# Altium PCB esp32-s3.PcbDoc (continued)
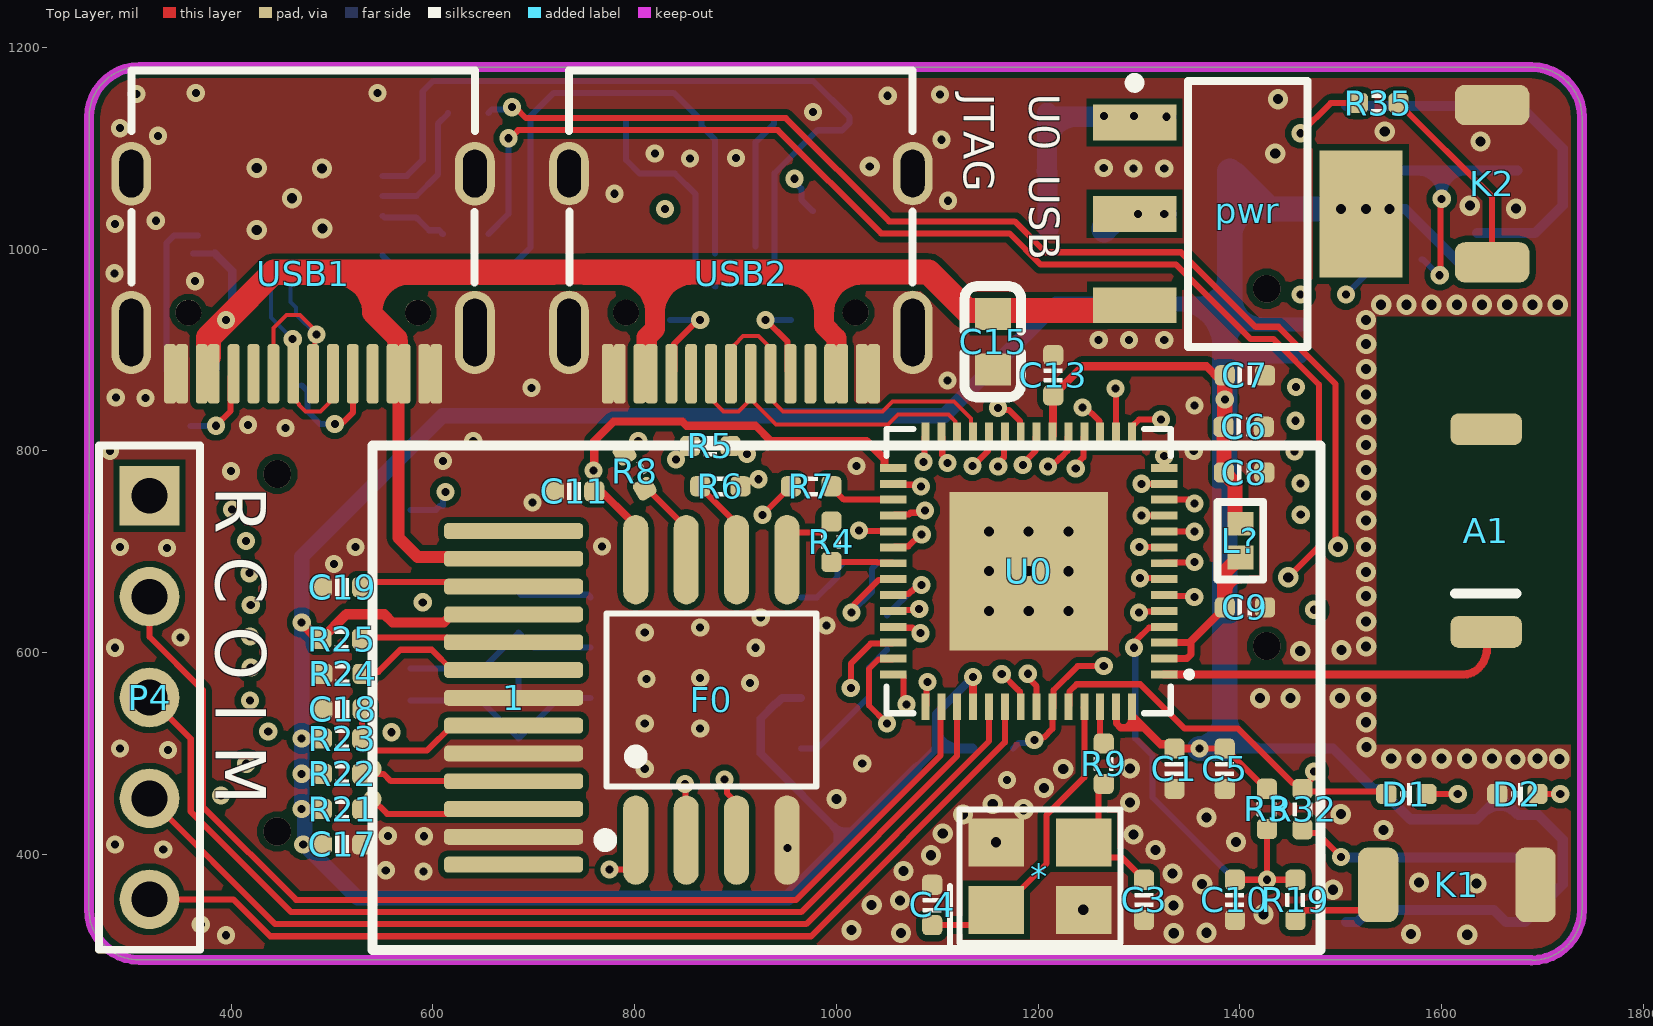
[diagram p0: Top Layer view]
## Footprints (in the part's own frame and the unit in brackets; to place one, negate y for a bottom-side part, rotate by r counter-clockwise, add the part's x,y. Pads: shape width x height; smd on the part's side, far side on the other; paste and mask are expansions set on the pad) (continued)
SMT_TRIODE_NPN [mm]
  rrect50% 0.95x1 smd: 1(-0.95,-1.125) 2(0.95,-1.125) 3(0,1.125)
  silkscreen extent -1.33,-0.23 1.33,1.13, body extent -1.45,-1.4 1.45,1.4, height 1.3
SO-8 [mm]
  oval 1.3x0.5 smd: 1(-2.65,1.905) 2(-2.65,0.635) 3(-2.65,-0.635) 4(-2.65,-1.905) 5(2.65,-1.905) 6(2.65,-0.635) 7(2.65,0.635) 8(2.65,1.905)
  silkscreen extent -2.78,-2.5 1.2,2.93, body extent -2.89,-2.44 2.89,2.46, height 1.45
SOT223_L [mm] "SOT223, 4-Leads, Body 6.5x3.5mm, Pitch 2.3mm, Lead Span 7mm, IPC High Density"
  rect 2.1x0.9 smd: 1(-2.85,2.3) 2(-2.85,0) 3(-2.85,-2.3)
  rect 2.1x3.2 smd: 4(2.85,0)
  silkscreen extent -2.97,-3.35 1.5,3.42, body extent -1.85,-3.35 1.85,3.35, height 1.7
Type-C-TOP [mm]
  round 0.65 hole 0.65: 0(-0.98,2.89) 0(-0.98,-2.89)
  oval 1.6x1 hole 0.6 slot 1.2 at 0 deg: 1(2.52,4.325) 2(2.52,-4.325)
  oval 2.1x1 hole 0.6 slot 1.7 at 0 deg: 3(-1.48,-4.325) 4(-1.48,4.325)
  rrect50% 1.5x0.3 smd: A1(-2.52,-3.35) A4(-2.52,-2.55) A5(-2.52,-1.25) A6(-2.52,-0.25) A7(-2.52,0.25) A8(-2.52,1.25) A9(-2.52,2.55) A12(-2.52,3.35) B1(-2.52,3.05) B4(-2.52,2.25) B5(-2.52,1.75) B6(-2.52,0.75) B7(-2.52,-0.75) B8(-2.52,-1.75) B9(-2.52,-2.25) B12(-2.52,-3.05)
  silkscreen extent -0.22,-4.33 5.12,4.33, body extent -2.57,-4.48 5.18,4.47, height 3.26
W25Q64JVSSIQ [mm]
  oval 0.63x2.25 smd: 1(-1.115,-3.955) 2(0.155,-3.955) 3(1.425,-3.955) 4(2.695,-3.955) 5(2.695,3.105) 6(1.425,3.105) 7(0.155,3.105) 8(-1.115,3.105)
  silkscreen extent -2.03,-4.11 3.43,1.75
无源晶振 [mm]
  rect 1.4x1.2 smd: 1(-1.016,-0.938) 2(1.184,-0.938) 3(1.184,0.762) 4(-1.016,0.762)
  silkscreen extent -2.17,-2 2.11,1.59

## Part data
A1: library part ANT-Rainsun-AP5120
C1 C2 C3 C4 C5 C6 C7 C8 C9 C10 C11 C12 C13 C14 C15 C16 C17 C18 C19: library part 电容-0402, "Capacitor"
D1 D2: library part LED_0402, "LED", Type=0402
J1 J2 J3 J4 J5: "Resistor", LatestRevisionDate=17-Jul-2002, LatestRevisionNote="Re-released for DXP Platform.", PackageDescription="Axial Device, Thru-Hole; 2 Leads; 0.4 in Pin Spacing", PackageReference=AXIAL-0.4, Published=8-Jun-2000, Publisher="Altium Limited"
K1 K2: library part ButtonTACT_3x4x2_180, "Button", Type="TACT 2P"
K3 K4: library part ButtonTACT, "Button", Type="TACT 4P"
L?: library part "0402 2.7nH 0.3nH", "贴片电感", Package=0402, SuppliersPartNumber=C27123, ComponentLink1Description=供应商链接, ComponentLink1URL=http://www.szlcsc.com/product/details_27872.html, Supplier=LC
P1 P2: "Header, 10-Pin, Dual row", LatestRevisionDate=17-Jul-2002, LatestRevisionNote="Re-released for DXP Platform.", Publisher="Altium Limited"
P4: "Header, 5-Pin", LatestRevisionDate=17-Jul-2002, LatestRevisionNote="Re-released for DXP Platform.", Publisher="Altium Limited"
R1 R2 R3 R4 R5 R6 R7 R8 R9 R10 R11 R12 R13 R14 R15 R16 R17 R18 R19 R20 R21 R22 R23 R24 R25 R26 R32 R34 R35 RCR1 x1 x2: library part 电阻-0402, "Resistor"
U1: Manufacturer="Texas Instruments", Manufacturer Part Number=SN65HVD232DR, Operating Temperature="-40°C ~ 85°C", Package / Case="8-SOIC (0.154\", 3.90mm Width)", Supplier Device Package=8-SOIC, Supplier Part Number 1=296-26344-2-ND, Voltage - Supply="3 V ~ 3.6 V", Category="Integrated Circuits (ICs)", ComponentLink1Description=http://www.ti.com/lit/ds/symlink/sn65hvd230.pdf, ComponentLink1URL=http://www.ti.com/lit/ds/symlink/sn65hvd230.pdf, Data Rate=1Mbps, Duplex=Half, Mounting Type="Surface Mount", Number of Drivers/Receivers=1/1, Packaging="Tape & Reel (TR)", Part Status=Active, Pricing 1="2500=0.84375 (USD)", Pricing 2="1=2.05, 10=1.842, 100=1.4809, 500=1.21668, 1000=1.00811 (USD)", Protocol=CAN, RoHS="RoHS Compliant", Stock=5000, Supplier 1=Digi-Key, Supplier 2=Digi-Key, Supplier Part Number 2=296-26344-1-ND, Type=Transceiver
U2: "USB转TTL", MFG #1="SILICON LABS", PART DESC="SINGLE-CHIP USB TO UART BRIDGE, QFN28, RoHS.", PART NUMBER=CP2102, RefDes=RefDes, Type=DEV
USB1 USB2: library part USB-Type-C-TOP
VT1 VT2: library part SMT_TRIODE_NPN, "Surface mount NPN transistor, package SOT-23"

## Via types
v1: diameter 18, hole 8, Top Layer to Bottom Layer, tented both sides, 162 vias
v2: diameter 20, hole 10, Top Layer to Bottom Layer, tented both sides, 97 vias
v3: diameter 18/18/18/18 (per signal layer), hole 8, Top Layer to Bottom Layer, tented both sides, 5 vias
v4: diameter 18, hole 8, Top Layer to Bottom Layer, 4 vias
v5: diameter 27.56, hole 27.56, Top Layer to Bottom Layer, 4 vias
v6: diameter 20, hole 8, Top Layer to Bottom Layer, tented both sides, 1 vias

## Nets (pads, with @x,y where several pads share a name; then routed paths per layer and width w, separated by ;. In a path a pad name is that pad's centre, name@x,y a point inside that pad or via, vN(x,y) a via of type N, cw(c..) or ccw(c..) an arc to the next point about the centre after c; other vN are vias at no path point)
0: P2.11 R35.2 U0.5 VT2.3 | length 1313.4
  Top Layer w6: v1(1300,640) 1300.74,640.74 1324.05,640.74 U0.5 ; v1(1460,1115) 1489.9,1144.9 R35.2
  signal w6: v1(830.23,1039.77) 831.86,1039.77 843.77,1027.86 1154.11,1027.86 1165.08,1016.89 1460,1016.89 ; v1(1300,640) 1282.27,657.73 1282.27,816.91 1353.35,888 1393,888 v1(1460,955) 1460,961.57 1460,1016.89 ; v1(1460,1115) 1460,1016.89
1: P2.6 U0.6 | length 187.2
  Top Layer w6: U0.6 1325.72,656.29 1353.71,656.29 v1(1354.77,655.23)
  signal w6: v1(1354.77,655.23) 1354.77,656.79 1457.7,759.72 1457.7,765.7 v1(1460,767.99)
2: P2.12 U0.7 | length 24.1
  Top Layer w6: v1(1301.09,673.91) 1323.85,673.91 U0.7
3: P2.5 R1.2 U0.8 | length 416.2
  Top Layer w6: U0.8 1325.42,689.36 1354.36,689.36 v1(1355,690)
  signal w6: v1(1355,690) 1370,690 1435,755 1435,780.29 v1(1454.24,799.53) 1495,840.29 1495,945 v1(1505,955)
  Bottom Layer w6: v1(1505,955) R1.2
3V3: 1.4 C1.2 C2.2 C5.2 C6.2 C7.2 C8.2 C13.2 C14.2 C17.2 J4.1 K4.1 K4.3 L?.1 P2.1 P2.2 pwr.4 R2.2 R3.1 R18.1 R20.1 R21.2 R22.2 R23.2 R25.2 U0.20 U0.46 U0.55 U0.56 U1.3 | length 4979.1
  Top Layer w6: U0.46@1135.26,546.95 U0.46 ; U0.20 U0.20@1214.63,815.37 ; C13.2@1214.63,854.63 C13.2 ; U0.56 1292.99,537.54 U0.56@1293.93,536.6 ; v1(1360,505) C5.2@1385.94,505 ; C5.2 C5.2@1385.94,505 ; R3.1 1425.75,465.19 C5.2@1385.94,505
  Top Layer w7: U0.55 1277.68,546.25 1277.68,529.75 1281.78,525.65 1304.88,525.65
  Top Layer w8: v1(471.55,410) C17.2 ; U0.46@1135.26,546.95 v3@1135.26,575.94 ; U0.20@1214.63,815.37 C13.2@1214.63,854.63 ; C13.2 1244,884 1366.74,884 1380.74,870 C7.2@1382.44,870 ; U0.56@1293.93,536.6 1304.88,525.65 1321.24,509.29 1330.71,509.29 C1.2 v1(1360,505)
  Top Layer w10: v1(470,480) R22.2@485,480 ; v1(470,630) 485,615 R25.2@491.03,615 ; v1@475,445 R21.2 ; v1@475,515 R23.2 ; R25.2 514.23,638.19 551.81,638.19 560,630 610.94,630 618.98,638.03 1.4
  Top Layer w15: C7.2 1385,825.29 C6.2 1384.13,823.48 C8.2 1395.19,767.6 1395.19,732.23 1399.5,727.92 L?.1
  Bottom Layer w6: 894.96,357.04 895,357 ; C2.2@1009.31,414.31 C2.2@1009.31,415.69
  Bottom Layer w8: U1.3 946.09,555 940.77,549.68 939.68,549.68 925,535 925,500 C2.2@1009.31,415.69 ; 1080.35,486.68 1098.67,505 1098.67,539.35 v3(1135.29,575.97)
  Bottom Layer w10: C2.2@1009.31,415.69 1080.19,486.57 ; 1098.67,505 R2.2 ; 1385,505 1492.21,505 1532.21,465 1540,465 R18.1 1545,458.92 1568.92,435 1635,435 R20.1@1653.3,453.3 ; K4.1 1516.35,333 1528.35,345 1651.65,345 1663.65,333 1682.56,333 1696.95,347.38 1720,370.44 1720,415 1696,439 1676,439 R20.1 ; v2(1548.39,1039.86) 1563.89,1039.86 1618.05,985.71 1631.52,985.71 J4.1
  Bottom Layer w14: 1382.03,925.47 1385,925.47 P2.1 ; 1385,895 1386.02,893.98 P2.2
  Bottom Layer w15: C2.2@1009.31,414.31 952,357 895,357 525.36,357 472.36,410 v1(471.55,410) 471.53,410.8 473.07,412.33 473.07,441.12 470,444.19 v1(470,445) v1(470,480) v1(470,515) v1(470,630) 470,695.37 609.63,835 1106.82,835 1217.68,945.86 1384.37,945.86 1385,945.24
  Bottom Layer w25: v1(1360,505) 1385,505 v1(1385,851.09) 1385,895 1385,922.5 ; 1385,925.47 1385,945.24 1390,950.24 C14.2 1393.25,1074.19 1395.22,1074.19 1429.55,1039.86 v2(1548.39,1039.86)
  other v2: 1500,1040 1525,1040
4: P2.13 U0.9 | length 24.6
  Top Layer w6: v1(1300.27,704.73) 1324.52,704.73 U0.9
5: P2.4 U0.10 | length 196.4
  Top Layer w6: U0.10 1334.77,720.22 1334.87,720.11 1354.89,720.11 v1(1355,720)
  signal w6: v1(1355,720) 1380,720 1420,760 1420,795 v1(1455,830)
6: P2.14 U0.11 | length 22.3
  Top Layer w6: v1(1302.45,735.96) U0.11
7: P2.3 U0.12 | length 209.3
  Top Layer w6: U0.12 1348.58,751.71 1352.29,748 v1(1355,748)
  signal w6: v1(1355,748) 1388,748 1405.44,765.44 1405.44,815.44 1453.29,863.29 v1(1455.45,863.29)
8: P2.15 U0.13 | length 22.3
  Top Layer w6: v1(1302.45,767.46) U0.13
9: P2.16 U0.14 | length 11.9
  Top Layer w6: U0.14 1325,783.42 v4(1325,795)
10: P2.17 U0.15 | length 30.4
  Top Layer w6: U0.15@1293.93,825.09 1299.93,831.09 v1(1321.89,831.08)
11: P2.18 U0.16 | length 47.3
  Top Layer w6: v1(1276.7,862.12) 1276.97,861.84 1276.97,815.27 U0.16
12: P1.10 U0.17 | length 1182.2
  Top Layer w6: v1(1243.93,843.09) 1247.18,843.09 1253.18,837.09 1253.41,837.09 1260.56,829.94 1260.56,815.94 U0.17
  signal w6: v1(400.76,741.9) 402.66,740 458.56,740 548.35,829.8 548.35,948.08 616.13,1015.86 1149.14,1015.86 1210,955 1210,877.02 v1(1243.93,843.09)
13: P1.9 U0.18 | length 1213.8
  Top Layer w6: v1(1237.23,782.77) 1237.23,786.02 1244.81,793.6 1244.81,814.06 U0.18
  signal w6: v1(414.66,710.89) 446.42,710.89 561.51,825.99 561.51,944.27 621.1,1003.86 1141.14,1003.86 1195,950 1195,867.52 1215,847.52 1215,805 v1(1237.23,782.77)
14: P1.8 U0.19 | length 1190.2
  Top Layer w6: v1(1209.87,784.67) 1213.12,784.67 1221.36,792.91 1221.92,792.91 1229.06,800.06 1229.06,814.06 U0.19
  signal w6: v1(418.38,678.89) 438.38,698.89 451.39,698.89 606.99,854.49 606.99,966.99 631.86,991.86 1133.14,991.86 1183,942 1183,862.55 1200.75,844.8 1200.75,794.5 1209.87,785.38 v1(1209.87,784.67)
15: P1.7 U0.21 | length 1130.9
  Top Layer w6: v1(1184.77,786.14) 1184.77,787.26 1197.57,800.06 1197.57,814.06 U0.21
  signal w6: v1(419.48,647.35) 419.48,650.01 628.62,859.15 651.55,859.15 685,892.6 685,946.71 718.15,979.86 1125.14,979.86 1171,934 1171,857.58 1186.26,842.32 1186.26,787.63 v1(1184.77,786.14)
16: P1.6 U0.22 | length 1070.4
  Top Layer w6: v1(1160.29,842.83) 1162.33,840.79 1170.97,840.79 1181.82,829.94 1181.82,815.94 U0.22
  signal w6: v1(418.84,616.02) 439.3,636.48 439.3,652.86 633.59,847.15 650.59,847.15 656.52,847.15 697,887.63 697,893.56 697,941.74 723.12,967.86 1117.14,967.86 1159,926 1159,844.12 v1(1160.29,842.83)
17: P1.11 U0.23 | length 707.3
  Top Layer w6: v1(1160.36,784.64) 1160.36,787.89 1166.07,793.6 1166.07,814.06 U0.23
  signal w6: v1(612.53,759.36) 614.47,761.3 624.04,761.3 727.74,865 1080.39,865 1160.36,785.03 v1(1160.36,784.64)
  Bottom Layer w6: P1.11 602.93,741.73 606.52,745.33 610.23,745.33 610.23,757.06 v1(612.53,759.36)
18: P1.5 U0.24 | length 893.4
  Top Layer w6: v1(1134.75,785.19) 1135.46,785.19 1150.32,800.06 1150.32,814.06 U0.24
  signal w6: v1(419.48,585.5) 465.5,585.5 733,853 1070.63,853 1128.15,795.48 1128.15,795.04 1134.75,788.44 v1(1134.75,785.19)
21: P1.4 U0.27 | length 863.2
  Top Layer w6: U0.27 1104.95,814.06 1104.95,795.96 1110.15,790.77 v1(1110.15,788.03)
  signal w6: v1(418.68,552.64) 449.61,552.64 737,840.03 1060.88,840.03 1110.15,790.77 v1(1110.15,788.03)
26: P1.14 U0.28 | length 626.9
  Top Layer w6: v1(1086.18,789.28) 1087.33,790.43 1087.33,814.06 U0.28
  signal w6: v1(590,650) 591.73,651.73 591.73,671.73 748.03,828.03 1051.97,828.03 1082.26,797.74 1082.26,796.44 1086.18,792.52 v1(1086.18,789.28)
33: P1.18 U0.38 | length 687.1
  Top Layer w6: U0.38 1057.41,642.41 1081.13,642.41 v1(1082.07,643.36)
  signal w6: v1(559.04,521.19) 630.23,450 900,450 955,505 955,550 1050.5,645.5 1079.93,645.5 v1(1082.07,643.36)
34: 1.10 P1.19 R22.1 U0.39 | length 795.6
  Top Layer w6: v4(540,485) 545,480 551.08,480 558.4,472.68 1.10@635,472.68 ; U0.39 1057.41,624.79 1075.35,624.79 1080.74,619.4 v1(1083.53,619.4)
  signal w6: v4(540,485) 576.43,448.57 614.68,448.57 625.26,438 906.03,438 968,499.97 968,546.03 1042.18,620.21 1082.72,620.21 v1(1083.53,619.4)
35: 1.11 P1.20 R21.1 U0.40 | length 787.9
  Top Layer w6: v4(540,455) 554.68,440.32 613.67,440.32 618.47,445.12 1.11 ; v1(1014.3,565) 1014.3,589.27 1034.07,609.04 1055.54,609.04 U0.40
  signal w6: v4(540,455) 558.43,436.57 609.71,436.57 620.29,426 911,426 980,495 980,530.7 v1(1014.3,565)
36: P1.3 U0.41 | length 960.2
  Top Layer w6: v1(1050,530) 1032.3,547.7 1032.3,584.06 1041.53,593.29 1055.54,593.29 U0.41
  signal w6: v1(436.83,521.79) 437.73,520.9 437.73,455.93 423.01,441.21 423.01,411.99 473.23,361.77 942.53,361.77 1051.33,470.57 1051.33,528.67 v1(1050,530)
37: P1.2 U0.42 | length 938.8
  Top Layer w6: U0.42 1065.63,578.48 1066.57,577.55 1066.57,551.68 v1(1069.33,548.92)
  signal w6: v1(415,490) 415,452.98 406.01,443.99 406.01,412.02 468.26,349.77 947.5,349.77 1069.33,471.6 v1(1069.33,548.92)
38: P1.1 U0.43 | length 956.6
  Top Layer w6: U0.43 1089.2,547.63 1089.2,570.07 v1(1090.25,571.12)
  signal w6: v1(390.16,458.49) 390,458.34 390,410 462.23,337.77 952.47,337.77 1089.65,474.96 1089.65,570.52 v1(1090.25,571.12)
39: P4.2 U0.44 | length 1107.7
  Top Layer w6: P4.2 319.15,615.85 372,563 372,447.54 464.54,355 960,355 1103.08,498.08 1103.08,545.75 U0.44
40: P4.3 U0.45 | length 1044
  Top Layer w6: P4.3 360,514.78 360,442.57 459.57,343 964.97,343 1119.76,497.79 U0.45
41: P4.4 U0.47 | length 993.2
  Top Layer w6: P4.4 443.78,331 969.94,331 1151.26,512.32 U0.47
42: P4.5 U0.48 | length 978.2
  Top Layer w6: P4.5 402.18,355.63 438.81,319 974.91,319 1167.01,511.1 U0.48
45: P2.7 R2.1 U0.51 | length 404.5
  Top Layer w6: v1(1196.17,513.66) 1198.47,515.96 1205.45,515.96 1214.09,524.6 1214.09,544.1 1215.19,545.19 1215.19,562.86 1239.11,586.78 v3(1265,586.78)
  signal w6: v3(1265,586.78) 1312.57,586.78 1460.31,734.52 v1(1460.31,736.87)
  Bottom Layer w6: R2.1 1180.77,510.77 1190.03,510.77 1192.92,513.66 v1(1196.17,513.66)
46: D1.2 P2.10 R32.2 U0.52 | length 561.6
  Top Layer w6: U0.52 1230.94,547.63 1230.94,561.64 1238.08,568.78 1301.22,568.78 1345,525 1397.95,525 1452.22,470.74 1456.4,470.74 R32.2 1462.17,466.06 1471.04,474.93 1471.04,480.18 v1(1473.34,482.47) ; R32.2@1464.65,462.49 1542.51,462.49 D1.2
  signal w6: v1(1473.34,482.47) 1473.34,485.32 1480,491.99 1480,633.1 1473.67,639.44 v1(1473.67,642.62)
CAN_H: J3.1 P1.16 U1.7 | length 199.7
  Bottom Layer w6: P1.16 649.25,584.25 J3.1 700,605 U1.7
CAN_L: P1.17 R34.2 U1.6 | length 210.9
  Bottom Layer w6: P1.17 647.24,552.76 R34.2 725,555 U1.6
CAN_Rx: J1.1 U1.4 | length 142.4
  Bottom Layer w6: U1.4 980.75,505 1032.3,556.55 1032.3,585.3 J1.1
CAN_Tx: J2.1 U1.1 | length 62
  Bottom Layer w6: U1.1 980.75,655 1001.16,675.41 1001.16,683.16 J2.1
CHIP_CPU: C10.1 P4.1 R3.2 R19.2 U0.4 VT1.3 | length 2831.3
  Top Layer w6: v3@1297.3,612.25 1309.84,624.79 1323.85,624.79 U0.4 ; C10.1 v1(1426.7,375.02) ; R3.2 v1(1426.7,375.02) ; R19.2 v1(1426.7,375.02)
  signal w6: v1(958.57,1069.86) 834.86,1069.86 794.48,1029.48 612.78,1029.48 536.35,953.05 536.35,834.77 455.97,754.39 413.73,754.39 408.22,759.9 323.42,759.9 P4.1 372.16,702.63 372.16,410.87 458.03,325 956.67,325 1110,478.33 1110,576.14 1143.06,609.19 1287.56,609.19 1291.75,605 v3(1295,605)
  Bottom Layer w6: v1(958.57,1069.86) 958.57,1066.62 965.21,1059.97 965.21,1049.08 VT1.3 ; v3(1295,605) 1296.22,603.78 1296.22,515 1313.5,497.72 1313.5,456.5 1395,375 v1(1426.7,375.02)
DTR: R14.1 U2.28 VT2.2 | length 626.4
  Bottom Layer w6: U2.28 574.04,970 665,970 696.65,1001.65 696.65,1131.65 719.97,1154.97 838.62,1154.97 864.86,1128.74 VT2.2@866.99,1128.74 ; VT2.2 866.32,1121.87 879.78,1108.41 R14.1
GND: 1.7 1.9 1.12 *.2 *.4 C1.1 C2.1 C3.1 C4.1 C5.1 C6.1 C7.1 C8.1 C9.1 C10.2 C11.1 C12.1 C13.1 C14.1 C15.1 C16.1 C17.1 C18.1 C19.1 D2.2 F0.4 J5.1 K1.1 K2.1 P1.12 P1.13 P1.15 P2.19 P2.20 R10.2 R12.2 R13.2 R17.2 R24.2 R26.2 RCR1.2 U0.57 U1.2 U2.3 U2.29 USB1.1 USB1.2 USB1.3 USB1.4 USB1.A1 USB1.A12 USB1.B1 USB1.B12 USB2.1 USB2.2 USB2.3 USB2.4 USB2.A1 USB2.A12 USB2.B1 USB2.B12
  other v1: 395,320 369.95,330.54 590.8,383.32 553.34,384.38 332.78,405.05 951.72,406.48 285,410 591.28,418.09 555.36,418.57 1169.04,473.9 810,485 1025.61,490.38 337.37,503.54 290,505 865,525 810,530 914.48,570.12 811.92,573.96 865,575 285,605 920,605 350,615 810,620 865,625 989.99,626.95 925,635 502.01,687.91 336.51,703.69 290,705 523.35,704.74 767.64,705.29 698.71,748.8 400,780 1020,785 610,790 280,800 1354.24,799.83 640,810 454.03,822.74 416.91,825.95 1355,845 285.73,853.15 315.05,852.55 697.79,862.63 1110,870 1260,910 1290,910 1325,910 364.33,968.31 284.53,976.13 285,1025 325.38,1028.24 1110.57,1048.09 780,1055 1264.99,1080.38 1294.29,1080.08 1325,1080 855,1090 900.41,1090.55 820,1095 1104.14,1108.51 327.41,1112.44 290,1120 976.91,1135.92 1050.83,1152.16 1102.84,1153.46 306.32,1153.91 365,1155 545,1155
  other v2: 1569.48,321.29 1625.36,320.53 1063.95,322.23 1334.4,321.99 1366.8,322.46 1015,325 1423.47,340.8 1244.73,345.27 1035,350 1333.96,349.65 1062.97,354.28 1492.22,365.09 1362.58,370.62 1634.45,371.43 1577.36,372.13 1333.19,381.13 1066.39,383.61 1093.64,399.3 1316.4,404.6 1158.12,412.2 1396.19,412.3 1294.46,419.8 1105.38,420.84 1542.39,424.47 1366.92,436.64 1125.55,439.83 1500,440 1185.63,444.86 1155,450 1291.03,451.66 1000,455 1205.91,465.86 1224.83,484.91 1290.89,485.23 1673.06,494.4 1550,495 1575,495 1600,495 1625,495 1650,495 1695,495 1716.61,494.86 1525.48,506.39 1525.16,531.08 1420,555 1450,555 1499,555 1525.16,556.08 1459.78,601.57 1500.8,602.57 1525.16,606.08 1525.16,631.08 1151.26,641.48 1190.63,641.48 1229.99,641.48 1525.16,656.08 1525,680 1151.26,680.85 1190.63,680.85 1229.99,680.84 1525,705 1151.26,720.22 1190.61,720.2 1230,720.22 1525.16,731.08 1525.16,756.08 1525.16,781.08 1525.16,806.08 1525.16,831.08 1525.16,856.08 1525.16,881.08 1525.16,906.08 1525,930 1540,945 1565,945 1590,945 1615,945 1640,945 1665,945 1690,945 1715,945 425.39,1019.22 490.41,1020.55 1673.79,1040.19 1627.87,1043.16 460.41,1050.55 490,1080 425.41,1080.55 1435,1095 1638.43,1106.89 1543.58,1116.77 1437.89,1148.76
  other v6: 1033.07,1081.89
GPIO47: J1.2 U0.37 | length 79.2
  Top Layer w6: U0.37 1057.41,658.16 1071.42,658.16 1073.29,660.03 1074.62,661.36 1075.28,661.36 1081.22,667.29 v1(1084.46,667.29)
  Bottom Layer w6: J1.2 1078,665 1082.17,665 v1(1084.46,667.29)
GPIO48: J2.2 U0.36 | length 119.5
  Top Layer w6: v1(1015,640) 1017.3,642.3 1017.3,647.8 1041.53,672.03 1055.54,672.03 U0.36
  Bottom Layer w6: v1(1015,640) 1035.16,660.16 1035.16,683.16 J2.2
Net1_3: 1.3 C19.2 | length 154.2
  Top Layer w6: C19.2 535.34,670.34 613.72,670.34 618.47,665.59 1.3
Net1_5: 1.5 R25.1 | length 155.7
  Top Layer w6: R25.1@526.22,615 613.94,615 618.47,610.47 1.5
Net1_6: 1.6 R24.1 | length 167.7
  Top Layer w6: R24.1 532.55,581.16 545.96,581.16 567.8,603 598.89,603 618.98,582.91 1.6
Net1_8: 1.8 C18.2 R23.1 | length 133.6
  Top Layer w6: C18.2 529.67,543.28 529.67,515.33 541.81,503.19 594.37,503.19 1.8@618.98,527.8
Net*_3: *.3 C3.2 R9.2 | length 136.8
  Top Layer w6: *.3 1248.94,411.93 1263.76,397.11 1282.89,397.11 C3.2 ; *.3@1246.97,413.9 1260,426.93 R9.2@1260,470
NetA1_1: A1.1 U0.1 | length 336.1
  Top Layer w8: U0.1 1621.89,578.48 ccw(c1621.89,599.18) 1636.46,584.48 ccw(c1616.07,605) A1.1@1645,605
NetC9_2: C9.2 L?.2 U0.2 U0.3 | length 179
  Top Layer w7: U0.2 1347.27,594.23 1351.37,598.33 1351.37,611.37 ; U0.3 1349.98,609.98
  Top Layer w8: 1349.98,609.98 1353.88,613.88 C9.2
  Top Layer w10: L?.2@1400.97,688.91 L?.2@1407.48,688.91
  Top Layer w15: C9.2 1385,679.96 1399.5,694.46 L?.2
NetC16_2: C16.2 pwr.1 R16.2 R17.1 | length 237
  Bottom Layer w20: R16.2 1209.38,1020.4 1209.38,1076.62 C16.2 1208.66,1077.93 1208.66,1135.04 R17.1 1212.98,1131.31 v1(1327.27,1131.31)
  other v1: 1265.44,1132.26 1294.82,1131.97
NetD1_1: D1.1 R18.2 | length 61.8
  Top Layer w6: D1.1 1585.05,459.95 1615.85,459.95 v1(1615.9,459.89)
  Bottom Layer w6: R18.2 v1@1615.9,460
NetD2_1: D2.1 R20.2 | length 45.1
  Top Layer w6: D2.1 1695.07,460.07 1717.44,460.07 v1(1717.51,460.15)
  Bottom Layer w6: R20.2 1695.07,460.07 1717.44,460.07 v1(1717.51,460.15)
NetJ3_2: J3.2 R34.1 | length 31
  Bottom Layer w6: R34.1 J3.2
NetJ4_2: J4.2 J5.2 K3.1 K3.3 | length 385.1
  Bottom Layer w10: K3.3 K3.1 1677.84,1142 1720,1099.84 1720,1043.35 J5.2 1692.65,1016 J4.2
NetK1_2: K1.2 R19.1 | length 101.6
  Top Layer w6: R19.1 1455.75,335 1465.51,344.77 1520.53,344.77 1537,361.23 K1.2
NetK2_2: K2.2 R35.1 | length 196.3
  Top Layer w6: R35.1 1650,1052.06 K2.2
NetK3_2: K3.2 K3.4 R1.1 | length 299.2
  Top Layer w6: v1(1598,974.18) 1599,975.18 1599,1049 v1(1600,1050)
  Bottom Layer w6: R1.1 1581.08,990 1596.9,974.18 v1(1598,974.18)
  Bottom Layer w10: K3.4 1600,1078 ; v1(1600,1050) 1600,1078 ; K3.2 1600,1078
NetK4_2: K4.2 K4.4 R32.1 | length 224.4
  Top Layer w6: R32.1 1465.75,421.39 1476.39,421.39 v4(1500.25,397.53)
  Bottom Layer w6: v4(1500.25,397.53) 1500.78,397 K4.2
  Bottom Layer w10: K4.2 K4.4
Netpwr_2: pwr.2 R16.1 | length 81
  Top Layer w20: pwr.2@1284.42,1028.45 1289.04,1028.45 pwr.2
  Bottom Layer w25: R16.1 1265.51,1021.36 1268.75,1024.6 1270.72,1024.6 1281.12,1035 v1(1325,1035)
  other v1: 1299.02,1034.89
NetR4_2: R4.2 U0.35 | length 62
  Top Layer w6: R4.2 1040.46,690 1040.8,689.66 1055.54,689.66 U0.35
NetR5_2: R5.2 U0.34 | length 259.3
  Top Layer w6: R5.2 900.53,799.47 909.16,799.47 v1(911.46,797.17) ; U0.34 1057.41,705.4 1071.42,705.4 1083.13,717.12 v1(1084.57,717.12)
  signal w6: v1(911.46,797.17) 972.83,797.17 1010,760 1030,760 1072,718 1083.68,718 v1(1084.57,717.12)
NetR6_2: R6.2 U0.33 | length 178.4
  Top Layer w6: R6.2 910.77,770.77 911.83,769.7 920.65,769.7 v1(922.94,772) ; v1(1022.44,721.08) 1022.87,720.65 1056.05,720.65 U0.33
  signal w6: v1(922.94,772) 924.07,773.13 936.87,773.13 989.78,720.22 1021.58,720.22 v1(1022.44,721.08)
NetR7_2: R7.2 U0.31 | length 67.5
  Top Layer w6: R7.2 995,764.09 1007.38,751.71 U0.31
NetR8_2: R8.2 U0.30 | length 351.6
  Top Layer w6: R8.2 790.45,797.32 803.17,810.03 v1(803.62,810.03) ; U0.30 1057.41,766.52 1082.21,766.52 v1(1083.97,764.76)
  signal w6: v1(803.62,810.03) 806.87,810.03 812.01,815.17 1034.83,815.17 1083.97,766.03 v1(1083.97,764.76)
NetR10_1: R10.1 USB2.B5 | length 96.4
  Top Layer w6: USB2.B5 839.28,879.48 839.28,906.23 863.06,930 v1(865,930)
  Bottom Layer w6: R10.1 v1(865,930)
NetR11_2: R11.2 U2.9 | length 167.3
  Bottom Layer w6: R11.2 335.84,879.16 335.84,1005.96 343.32,1013.44 U2.9
NetR12_1: R12.1 USB1.B5 | length 83.8
  Top Layer w6: v1(385,825) 399.61,839.61 399.61,873.59 USB1.B5
  Bottom Layer w6: R12.1 v1(385,825)
NetR13_1: R13.1 USB1.A5 | length 121.4
  Top Layer w6: v1(502.82,826.69) 505.11,828.98 511.64,828.98 520.63,837.97 USB1.A5
  Bottom Layer w6: R13.1 475.77,859.23 475.77,839.23 488.31,826.69 v1(502.82,826.69)
NetR14_2: R14.2 VT1.1 | length 132.6
  Bottom Layer w6: R14.2@920,1002.74 920,1106.09 938.24,1124.32 VT1.1@938.24,1127.78
NetR15_2: R15.2 VT2.1 | length 220.5
  Bottom Layer w6: VT2.1 791.52,1088.48 805,1075 840,1075 860.5,1054.5 860.5,982.47 R15.2
NetR26_1: R26.1 USB2.A5 | length 89
  Top Layer w6: v1(929.77,929.77) 930.23,929.77 951.58,908.42 951.58,879.48 USB2.A5
  Bottom Layer w6: v1(929.77,929.77) 929.89,929.89 954.89,929.89 R26.1
NetRCR1_1: RCR1.1 U1.8 | length 73.4
  Bottom Layer w6: RCR1.1 687.5,657.5 753.84,657.5 U1.8
RTS: R15.1 U2.24 VT1.2 | length 773.8
  Bottom Layer w6: U2.24 550.48,1072.63 574.12,1072.63 590,1088.51 590,1156.49 600.49,1166.97 976.79,1166.97 1013.04,1130.72 1013.04,1125.32 1005.64,1117.92 981.17,1117.92 938.78,1075.54 938.78,984.85 923.94,970 R15.1@918.78,970
RTXD_N: U2.26 x2.1 | length 67.2
  Bottom Layer w6: U2.26 551.86,1031.55 583.45,1031.55 585,1030 596.21,1018.79 606.21,1018.79 x2.1@610,1015
RTXD_P: U2.25 x1.1 | length 128.6
  Bottom Layer w6: U2.25 583.77,1052.78 605,1074.01 605,1124.49 615,1134.49 x1.1
SPICLK: F0.6 R6.1 | length 87.7
  Top Layer w6: R6.1 865,763.92 901.12,727.8 F0.6
SPICS0: F0.1 U0.32 | length 648.7
  Top Layer w6: v1(775,385) 775.2,385.2 792.43,385.2 801.12,393.89 F0.1 ; U0.32 1057.41,736.9 1071.77,736.9 1073.68,738.81 1085.69,738.81 v1(1087.99,741.1)
  signal w6: v1(775,385) 886.97,385 992,490.03 992,498.32 1102.57,608.89 1102.57,728.9 1090.37,741.1 v1(1087.99,741.1)
SPID: F0.5 R4.1 | length 70.1
  Top Layer w6: F0.5 951.12,710.36 959.81,719.05 984.05,719.05 R4.1
SPIHD: F0.7 R8.1 | length 89.9
  Top Layer w6: R8.1@810,765 810.13,765 851.12,724.01 F0.7
SPIQ: F0.2 R5.1 | length 413.9
  Top Layer w6: v1(841.12,791.54) 841.54,791.54 R5.1@848.47,798.47 ; v1(850,470) 850.56,469.44 850.56,414.85 F0.2 ; R5.1 R5.1@848.47,798.47 ; R5.1@859.73,800.27 860.27,800.27 858.47,798.47 R5.1@848.47,798.47
  signal w6: v1(841.12,791.54) 841.12,479.51 850,470.64 v1(850,470)
SPIWP: F0.3 R7.1 | length 384.6
  Top Layer w6: v1(889.25,474.4) 891.55,472.1 891.55,460.84 901.12,451.27 F0.3 ; v1@926.79,736.76 R7.1
  signal w6: v1(889.25,474.4) 889.25,702.18 923.81,736.73 v1(926.79,736.73)
U0RT_N: P2.8 U0.49 x1.2 | length 1567
  Top Layer w6: v1(678.28,1140.78) 681.53,1140.78 692.31,1130 950,1130 1052.3,1027.7 1176.59,1027.7 1207.29,997 1341.52,997 1415.38,923.14 1438.03,923.14 1494.94,866.23 1494.94,707.41 v2(1497.31,705.04) ; v3(1163.94,578.78) 1164.67,578.78 1179.94,563.51 1181.82,561.64 1181.82,547.63 U0.49
  signal w6: v3(1163.94,578.78) 1185.94,556.78 1344.53,556.78 1417.1,629.35 1429.35,629.35 1494.63,694.63 1494.63,702.36 v2(1497.31,705.04)
  Bottom Layer w6: x1.2 658.49,1138.49 675.99,1138.49 v1(678.28,1140.78)
U0RT_P: P2.9 U0.50 x2.2 | length 1561.7
  Top Layer w6: v1(675,1110) 676.51,1110 684.51,1118 942.03,1118 1044.33,1015.7 1171.62,1015.7 1202.51,984.81 1336.74,984.81 1410.41,911.14 1433.06,911.14 1478.31,865.89 1478.31,705.18 v2(1447.92,674.79) ; v3(1189.72,579.19) 1189.72,575.55 1198.5,566.76 U0.50
  signal w6: v3(1189.72,579.19) 1247.14,579.19 1257.54,568.78 1339.56,568.78 1412.13,641.35 1416.35,641.35 1447.92,672.92 v2(1447.92,674.79)
  Bottom Layer w6: x2.2 675,1035 v1(675,1110)
USB_N: U0.25 USB2.A7 USB2.B7 | length 358.4
  Top Layer w4: USB2.A7 898.75,879.89 898.75,905.23 907.63,914.1 922.61,914.1 931.49,905.22 931.49,879.89 938.12,873.26 938.12,847.93 947,839.05 1045.66,839.05 1055.71,849.09 1116.65,849.09 1133.58,832.17 1133.58,816.94 U0.25
USB_P: U0.26 USB2.A6 USB2.B6 | length 360.8
  Top Layer w4: USB2.B6 879.07,873.26 879.07,847.93 887.94,839.05 902.92,839.05 911.8,847.93 911.8,873.26 USB2.A6 918.44,873.26 918.44,847.93 940.31,826.05 1051.05,826.05 1061.09,836.09 1111.27,836.09 1117.89,829.47 1117.89,816.87 U0.26
USB_UART_N: U2.5 USB1.A7 USB1.B7 | length 159.7
  Top Layer w4: USB1.A7 461.58,852.36 467.35,846.58 467.35,845.39 473.77,838.97 488.75,838.97 497.63,847.85 497.63,873.18 USB1.B7
  Bottom Layer w4: U2.5 439.36,961.05 439.36,932.5 v1(461.04,910.82)
USB_UART_P: U2.4 USB1.A6 USB1.B6 | length 199.8
  Top Layer w4: USB1.B6 441.89,921.89 455,935 468.31,935 481.76,921.55 v1@481.76,914.83 ; USB1.A6 483.58,897.36 483.07,897.87 483.07,898.16 481.76,899.47 482.93,900.64 v1@482.93,913.66 ; v1@482.93,915.38 v1(484.6,915.38)
  Bottom Layer w4: U2.4 458.81,947.74 464.5,942.06 464.5,935.48 v1(484.6,915.38)
VBUS: 1.2 C15.2 pwr.3 R11.1 U2.7 U2.8 USB1.A4 USB1.A9 USB1.B4 USB1.B9 USB2.A4 USB2.A9 USB2.B4 USB2.B9 | length 1700.7
  Top Layer w12: USB1.A4@565.98,871.9 565.98,714.02 584.98,695.02 594.98,695.02 678.13,695.02 1.2
  Top Layer w20: 540,975 540,936.68 564.72,911.96 564.72,908.94 565.22,908.45 USB1.B9@565.22,893.53 ; USB2.B4@811.97,893.6 811.97,912.91 820.29,921.23 820.29,977.36 ; 987.76,975.12 987.76,924.24 1000,912 USB2.A4@1000,890
  Top Layer w25: USB1.B4@377.62,893.53 377.62,912.62 v1(395,930) 442.28,977.28 542.28,977.28 ; 540,975 542.28,977.28 ; 817.72,977.36 990,977.36 ; 820.29,977.28 750.89,977.28 750.82,977.36 719.18,977.36 719.11,977.28 542.28,977.28 ; 987.76,975.12 990,977.36 ; C15.2 1152.07,939.17 1129.56,939.17 1091.37,977.36 990,977.36 ; C15.2@1155.32,939.17 1266.69,939.17 1271.97,944.45 pwr.3
  Bottom Layer w6: U2.8@362.22,995.94 U2.8@383.5,995.94 ; R11.1 385.77,880.77 385.77,885.46 385.82,885.51 385.82,920.82 v1(395,930)
  Bottom Layer w8: U2.8@383.5,995.94 384.01,995.94 385.73,994.23 385.73,993.72 401.17,978.27 401.17,946.17 395,940 v1(395,930)
VDD_SPI: C11.2 C12.2 F0.8 U0.29 | length 484
  Top Layer w8: F0.8 801.12,725.99 760,767.11 760,810 779.03,829.03 847.5,829.03 851.53,825 920,825 935,810 1029.68,810 1047.6,792.09 1047.6,784.14 1048.54,783.21 U0.29
  Bottom Layer w6: v1(759.1,780.83) 759.55,780.38 759.55,760.45 C12.2
XTAL_N: *.1 C4.2 U0.53 | length 311.1
  Top Layer w6: C4.2 1143.39,330 *.1 1162.32,345 1208.44,391.12 1208.44,439.28 1244.81,475.65 1245.75,476.59 U0.53 U0.53@1244.81,545.76
XTAL_P: R9.1 U0.54 | length 38.1
  Top Layer w6: U0.54 1261.5,513.5 R9.1
pads on no net: 1.1 1.13 A1. U1.5 U2.1 U2.2 U2.6 U2.10 U2.11 U2.12 U2.13 U2.14 U2.15 U2.16 U2.17 U2.18 U2.19 U2.20 U2.21 U2.22 U2.23 U2.27 USB1.0 USB1.A8 USB1.B8 USB2.0 USB2.A8 USB2.B8
copper on no net:
  other v5: 445.79,422.83 1426.54,606.57 445.79,777.17 1426.54,960.91

## Polygon pours and split planes (outlines as drawn)
GND on Top Layer "GND_L01_P003" (solid, remove dead copper, pour order 3): 255,1185 1745,1185 1745,290 255,290
3V3 on Bottom Layer "3V3_L04_P002" (solid, remove dead copper, pour order 2): 1397.43,918.55 1398.88,920 1499.36,925.53 1499.36,893.45 1496.49,889.25 1396.81,886.94
GND on Bottom Layer "GND_L04_P004" (solid, remove dead copper, pour order 4): 255,1185 1745,1185 1745,290 255,290
GND on GND "GND_L02_P001" (solid, remove dead copper, pour order 1): 255,1185 1745,1185 1745,290 255,290
GND on signal "GND_L03_P000" (solid, remove dead copper, pour order 0): 255,1185 1745,1185 1745,290 255,290

## Keep-outs
Keep-Out Layer:
  lines w10: 259.04,345.63 ccw(c309.04,345.63) 309.04,295.63 1689.02,295.63 ; 259.15,345.63 259.15,1130.75 ; 259.24,1130.75 cw(c309.24,1130.75) 309.24,1180.75 ; 309.24,1180.63 1689.18,1180.63 ; 1689.02,295.15 ccw(c1689.02,345.15) 1739.02,345.15 ; 1689.18,1180.57 cw(c1689.18,1130.57) 1739.18,1130.57 ; 1739.15,345.15 1739.15,1130

## Other copper
Top Layer:
  region net NetC9_2: 1401.12,669.04 ccw(c1400.99,660.39) 1392.35,660.6 1392.35,668.96
  region net 3V3: 1295.36,534.02 ccw(c1298.45,531.83) 1296.23,528.76 1289.52,533.67
  region net 3V3: 1285.11,529.11 ccw(c1284.53,533.62) 1289.05,534.16 1295.78,529.11
  region net VBUS: 977.91,939.23 ccw(c950.13,937.13) 948.3,964.94 977.91,964.94
  region net VBUS: 1023.27,964.92 ccw(c1025.37,937.14) 997.57,935.3 997.57,964.92
  region net VBUS: 855.59,964.91 ccw(c857.69,937.13) 829.89,935.3 829.89,964.91
  region net VBUS: 810.59,939.14 ccw(c782.8,937.04) 780.97,964.84 810.59,964.84
  region net VBUS: 575.38,964.97 ccw(c577.48,937.18) 549.68,935.35 549.68,964.97
  region net VBUS: 530.09,939.12 ccw(c502.31,937.02) 500.47,964.82 530.09,964.82
  pour cut-out: 1535,933.76 1535,508.76 1760,508.76 1760,933.76
GND:
  pour cut-out: 1535,933.76 1535,508.76 1760,508.76 1760,933.76
signal:
  region net 0: 1460,996.89 ccw(c1444.01,997.89) 1445,1013.88 1445,1019.87 ccw(c1445,1034.87) 1460,1034.87
  pour cut-out: 1535,933.76 1535,508.76 1760,508.76 1760,933.76
Bottom Layer:
  region net 3V3: 1415.37,887.01 ccw(c1416.08,867.74) 1396.81,867.21 1396.81,886.94
  region net 3V3: 1356.89,517 ccw(c1356.81,532.83) 1372.65,532.75 1372.65,517
  region net 3V3: 994.71,408.65 ccw(c985.17,416.67) 993.19,426.21 999.15,431.49 ccw(c1009.25,439.26) 1017.02,429.16
  region net 3V3: 1402.47,929.7 ccw(c1392.53,902.44) 1380.41,928.8 ccw(c1357.11,941.7) 1382.74,948.93 1402.47,948.93
  region net 3V3: 1402.4,950.93 ccw(c1421.67,951.64) 1422.2,932.37 1402.47,932.37
  region net 3V3: 1397.46,908.68 ccw(c1405.45,908.88) 1405.57,900.89 1397.46,900.89
  region net 3V3: 1407.25,918.55 ccw(c1407.3,908.69) 1397.43,908.73 1397.43,918.55
  region net 3V3: 1359.01,953.2 ccw(c1358.3,972.47) 1377.57,973.01 1377.57,953.27
  region net NetC16_2: 1237.1,1121.27 ccw(c1237.82,1102) 1218.55,1101.47 1218.55,1121.27
  region net NetK3_2: 1595.33,1054.65 ccw(c1576.06,1053.93) 1575.53,1073.2 1595.26,1073.2
  region net NetK3_2: 1623.38,1073.27 ccw(c1624.09,1054) 1604.82,1053.47 1604.82,1073.2
  region net 3V3: 1669.43,438.53 ccw(c1657.44,426.6) 1645.61,438.69 1657.51,450.92
  region net 3V3: 1396.74,542.04 ccw(c1428.27,540.81) 1426.74,509.3 1396.28,509.3
  region net 3V3: 1102.46,528.42 ccw(c1121.73,529.14) 1122.27,509.86 1102.53,509.86
  region net 3V3: 1372.89,905.73 ccw(c1338.58,904.16) 1337.35,938.48 1372.89,938.96
  region net 3V3: 1419.96,1031.72 ccw(c1422.96,1010.9) 1402.12,1008.09 1402.12,1051.04
  pour cut-out: 1535,933.76 1535,508.76 1760,508.76 1760,933.76

## Silkscreen, mask and mechanical layers (free items; w line width, h text height)
Top Overlay:
  text "JTAG" at 1126.05,1153.91 h30 r270
  text "U0" at 1191,1154 h30 r270
  text "USB" at 1191,1074 h30 r270
  text "R C O I M" at 385,765 h50 r270
Bottom Overlay:
  drawing of 8 lines, arcs and shapes, not listed
  text "ESP32-S3" at 1207.24,798.79 h60
  text "V 1.3" at 995,715 h60
Top Solder:
  rectangle: 1535,508.76 1760,933.76
Bottom Solder:
  rectangle: 1535,508.76 1760,933.76